# KiCad board plz actually have soldermask.kicad_pcb
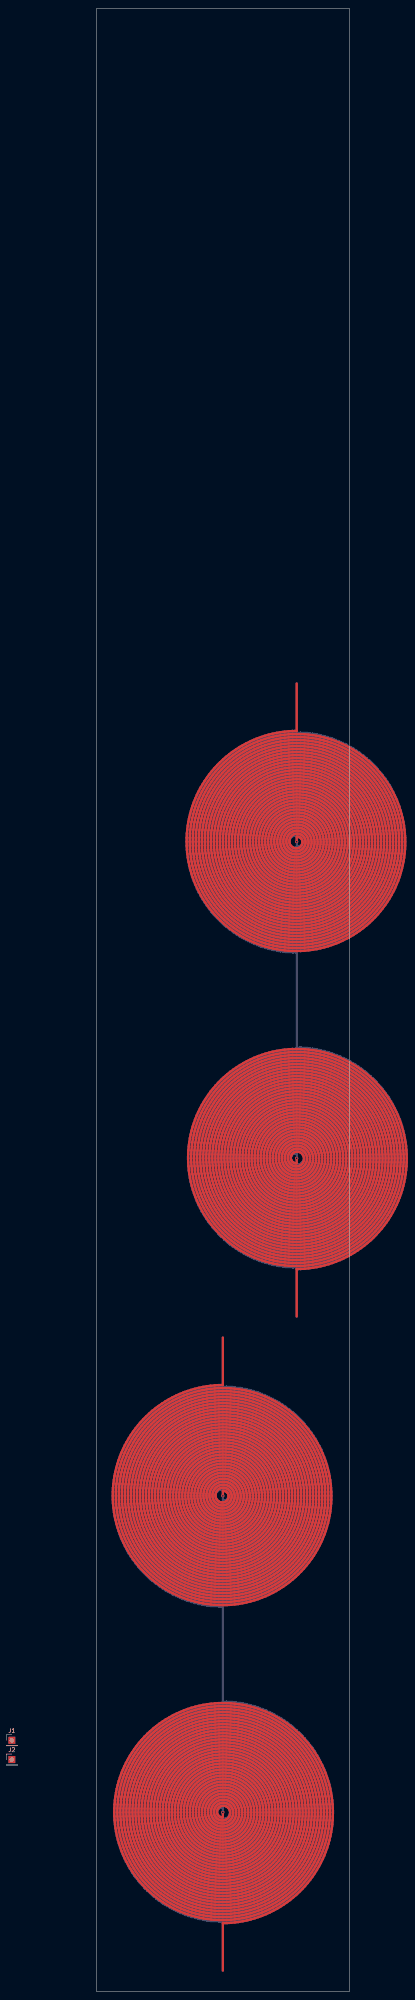
[diagram p0: board, top side]
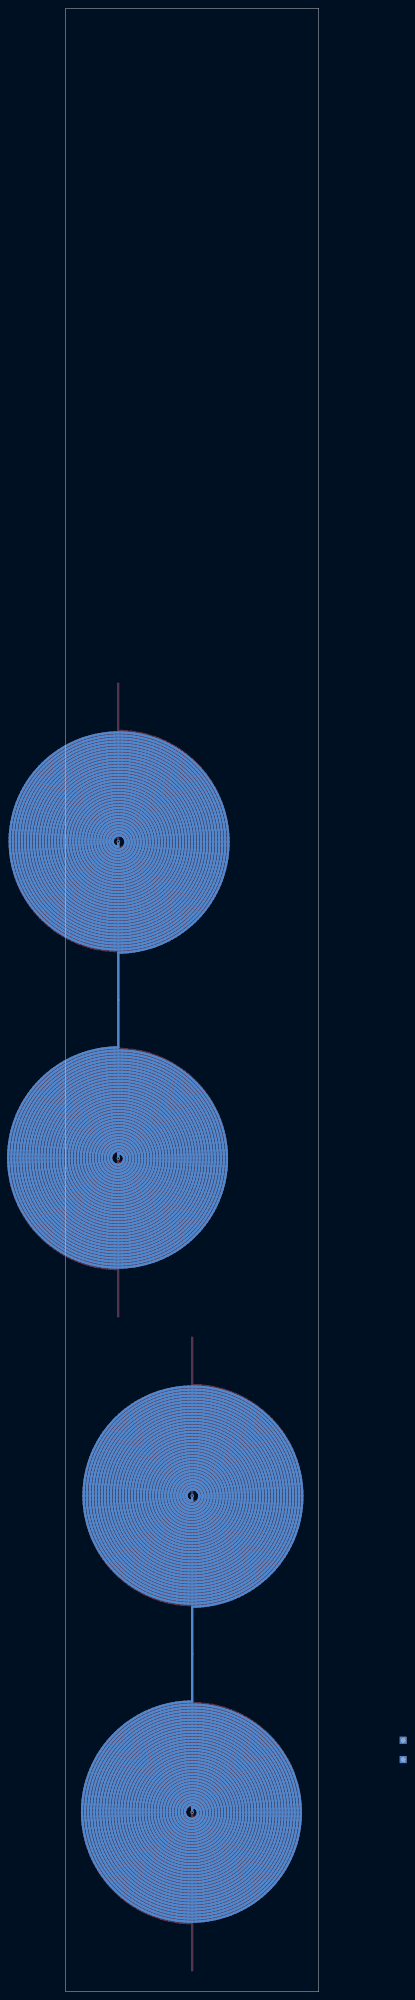
[diagram p1: board, bottom side, seen from below]

Outline 60.96 x 477.52 mm; copper layers: Top, Bottom. Coordinates in mm from the lower left corner of the outline.
Outline path: rectangle 0,477.52 60.96,0

## Placement (name value [footprint] x y rotation side)
J1  Conn_01x01_Pin  [PinHeader_1x01_P2.54mm_Vertical]  -20.32 60.53 0 top
J2  Conn_01x01_Pin  [PinHeader_1x01_P2.54mm_Vertical]  -20.32 55.88 0 top

## Library data of the parts
J1 J2 = -: Description: Generic connector, single row, 01x01, script generated

## Footprints (pads in the part's own frame, mm; a bottom-side part is the same pattern mirrored in y, then rotated)
PinHeader_1x01_P2.54mm_Vertical
  rect 1.7x1.7 hole 1: 1(0,0)

## Nets
Net-(J1-Pin_1): J1.1 J2.1

## Via types
v1: diameter 0.8, hole 0.4, Top to Bottom, 4 vias

## Routing (per net, layer and track width the routed paths; a pad name or vN(x,y) marks a point on that pad's centre or on a via; arc(x,y) is an arc through that point)
Net-(J1-Pin_1): length 24640.2
  Top w0.6: v1(30.48,43.18) 30.48,41.95 30.26,41.95 30.05,41.99 29.84,42.06 29.64,42.18 29.46,42.33 29.31,42.51 29.19,42.71 29.11,42.94 29.07,43.18 29.07,43.43 29.12,43.68 29.21,43.91 29.34,44.14 29.51,44.34 29.72,44.5 29.95,44.64 30.21,44.73 30.48,44.77 30.76,44.77 31.04,44.71 31.31,44.61 31.55,44.46 31.78,44.27 31.96,44.04 32.11,43.77 32.21,43.48 32.25,43.18 32.25,42.87 32.18,42.56 32.07,42.26 31.9,41.99 31.68,41.75 31.43,41.54 31.13,41.38 30.82,41.28 30.48,41.23 30.17,41.23 29.86,41.29 29.57,41.39 29.29,41.54 29.03,41.73 28.81,41.97 28.63,42.24 28.48,42.53 28.39,42.85 28.34,43.18 28.35,43.52 28.41,43.85 28.53,44.17 28.69,44.48 28.91,44.75 29.16,45 29.45,45.2 29.78,45.35 30.12,45.45 30.48,45.5 30.85,45.49 31.21,45.42 31.56,45.29 31.88,45.11 32.18,44.88 32.44,44.61 32.66,44.29 32.82,43.94 32.93,43.57 32.98,43.18 32.97,42.79 32.89,42.4 32.76,42.02 32.56,41.67 32.31,41.35 32.01,41.07 31.67,40.84 31.3,40.66 30.9,40.55 30.48,40.5 30.1,40.51 29.72,40.58 29.35,40.7 28.99,40.87 28.67,41.09 28.38,41.36 28.13,41.67 27.92,42.01 27.76,42.38 27.66,42.77 27.62,43.18 27.63,43.59 27.7,44 27.83,44.39 28.02,44.76 28.25,45.11 28.54,45.42 28.87,45.69 29.24,45.9 29.63,46.07 30.05,46.18 30.48,46.22 30.92,46.21 31.35,46.13 31.77,45.99 32.16,45.8 32.53,45.54 32.86,45.24 33.14,44.89 33.37,44.5 33.54,44.08 33.66,43.64 33.71,43.18 33.69,42.72 33.61,42.26 33.46,41.82 33.25,41.4 32.98,41.01 32.66,40.67 32.29,40.37 31.88,40.13 31.43,39.94 30.96,39.82 30.48,39.77 30.03,39.79 29.59,39.86 29.16,39.99 28.75,40.18 28.36,40.42 28.01,40.71 27.69,41.04 27.42,41.42 27.21,41.82 27.04,42.26 26.94,42.71 26.89,43.18 26.91,43.65 26.98,44.12 27.12,44.57 27.32,45.01 27.57,45.41 27.88,45.78 28.23,46.11 28.62,46.39 29.05,46.62 29.51,46.79 29.99,46.9 30.48,46.95 30.97,46.93 31.46,46.85 31.94,46.71 32.4,46.5 32.82,46.23 33.21,45.91 33.56,45.54 33.85,45.13 34.09,44.68 34.27,44.2 34.38,43.69 34.43,43.18 34.41,42.66 34.33,42.15 34.17,41.65 33.96,41.17 33.68,40.73 33.34,40.32 32.95,39.96 32.52,39.65 32.05,39.4 31.54,39.22 31.02,39.1 30.48,39.05 29.98,39.06 29.48,39.14 29,39.27 28.53,39.47 28.09,39.72 27.68,40.02 27.31,40.37 26.98,40.77 26.71,41.2 26.48,41.66 26.32,42.15 26.21,42.66 26.16,43.18 26.18,43.7 26.26,44.22 26.4,44.73 26.61,45.21 26.87,45.67 27.19,46.1 27.55,46.48 27.96,46.82 28.42,47.11 28.9,47.35 29.41,47.52 29.94,47.63 30.48,47.68 31.02,47.66 31.56,47.57 32.09,47.43 32.6,47.21 33.08,46.94 33.52,46.61 33.92,46.23 34.27,45.8 34.57,45.33 34.82,44.82 35,44.29 35.11,43.74 35.16,43.18 35.14,42.61 35.05,42.05 34.9,41.51 34.67,40.98 34.39,40.48 34.05,40.02 33.65,39.6 33.2,39.24 32.71,38.92 32.19,38.67 31.64,38.49 31.06,38.37 30.48,38.32 29.93,38.34 29.39,38.41 28.86,38.55 28.35,38.75 27.86,39.01 27.4,39.32 26.98,39.68 26.6,40.08 26.26,40.53 25.98,41.01 25.76,41.53 25.59,42.06 25.48,42.62 25.44,43.18 25.46,43.75 25.54,44.31 25.68,44.86 25.89,45.39 26.15,45.9 26.48,46.37 26.85,46.81 27.27,47.2 27.73,47.55 28.24,47.84 28.77,48.08 29.32,48.25 29.9,48.36 30.48,48.41 31.07,48.39 31.65,48.3 32.22,48.15 32.77,47.93 33.29,47.66 33.79,47.33 34.24,46.94 34.65,46.5 35,46.02 35.3,45.5 35.55,44.95 35.73,44.38 35.84,43.78 35.89,43.18 35.87,42.57 35.78,41.97 35.62,41.38 35.4,40.81 35.11,40.27 34.77,39.76 34.37,39.29 33.92,38.87 33.42,38.5 32.88,38.19 32.31,37.94 31.72,37.76 31.1,37.64 30.48,37.59 29.89,37.61 29.31,37.69 28.74,37.83 28.19,38.03 27.66,38.29 27.15,38.6 26.68,38.96 26.25,39.38 25.87,39.83 25.53,40.32 25.25,40.85 25.03,41.41 24.86,41.99 24.75,42.58 24.71,43.18 24.73,43.78 24.81,44.38 24.96,44.97 25.16,45.55 25.43,46.1 25.75,46.61 26.13,47.1 26.55,47.54 27.02,47.94 27.53,48.28 28.08,48.57 28.65,48.81 29.25,48.98 29.86,49.09 30.48,49.13 31.1,49.11 31.72,49.03 32.33,48.88 32.92,48.66 33.49,48.39 34.02,48.05 34.52,47.67 34.98,47.23 35.38,46.74 35.74,46.22 36.04,45.66 36.28,45.06 36.46,44.45 36.57,43.82 36.61,43.18 36.59,42.54 36.5,41.9 36.35,41.27 36.13,40.67 35.84,40.08 35.5,39.53 35.1,39.02 34.65,38.55 34.15,38.13 33.61,37.76 33.03,37.45 32.42,37.21 31.79,37.03 31.14,36.91 30.48,36.86 29.86,36.88 29.24,36.96 28.64,37.1 28.05,37.3 27.48,37.56 26.93,37.87 26.42,38.24 25.95,38.65 25.52,39.11 25.13,39.61 24.8,40.14 24.52,40.71 24.29,41.3 24.13,41.92 24.02,42.54 23.98,43.18 24,43.82 24.08,44.45 24.23,45.08 24.43,45.68 24.7,46.27 25.02,46.83 25.4,47.35 25.82,47.84 26.29,48.28 26.81,48.68 27.36,49.02 27.94,49.31 28.55,49.54 29.18,49.71 29.83,49.82 30.48,49.86 31.14,49.84 31.79,49.75 32.43,49.6 33.05,49.39 33.66,49.12 34.23,48.79 34.77,48.4 35.27,47.97 35.72,47.48 36.13,46.95 36.48,46.39 36.78,45.79 37.01,45.16 37.19,44.51 37.3,43.85 37.34,43.18 37.32,42.51 37.23,41.84 37.08,41.18 36.86,40.54 36.58,39.92 36.24,39.33 35.85,38.78 35.4,38.26 34.9,37.8 34.36,37.38 33.77,37.02 33.16,36.72 32.51,36.47 31.85,36.29 31.17,36.18 30.48,36.14 29.83,36.16 29.18,36.24 28.54,36.38 27.92,36.57 27.32,36.83 26.74,37.14 26.19,37.5 25.68,37.91 25.2,38.37 24.77,38.87 24.39,39.41 24.06,39.98 23.78,40.59 23.56,41.21 23.4,41.86 23.3,42.51 23.26,43.18 23.28,43.85 23.36,44.51 23.5,45.17 23.7,45.81 23.96,46.42 24.28,47.02 24.65,47.58 25.08,48.1 25.55,48.59 26.06,49.03 26.61,49.42 27.2,49.76 27.82,50.05 28.46,50.27 29.12,50.44 29.8,50.54 30.48,50.59 31.16,50.57 31.84,50.48 32.52,50.33 33.17,50.13 33.81,49.86 34.41,49.53 34.99,49.15 35.53,48.72 36.02,48.23 36.48,47.71 36.88,47.14 37.22,46.54 37.52,45.91 37.75,45.25 37.92,44.57 38.03,43.88 38.07,43.18 38.05,42.48 37.96,41.78 37.81,41.09 37.6,40.42 37.32,39.77 36.99,39.15 36.6,38.56 36.15,38.01 35.66,37.5 35.12,37.04 34.54,36.63 33.92,36.27 33.27,35.97 32.6,35.74 31.9,35.56 31.2,35.45 30.48,35.41 29.8,35.43 29.13,35.51 28.46,35.65 27.81,35.84 27.17,36.09 26.56,36.4 25.98,36.76 25.43,37.17 24.92,37.62 24.45,38.12 24.02,38.66 23.65,39.23 23.32,39.84 23.05,40.47 22.83,41.13 22.67,41.8 22.57,42.49 22.53,43.18 22.55,43.87 22.63,44.56 22.77,45.25 22.97,45.91 23.23,46.56 23.54,47.19 23.91,47.78 24.33,48.34 24.79,48.87 25.3,49.35 25.86,49.78 26.44,50.17 27.06,50.51 27.71,50.79 28.38,51.01 29.07,51.17 29.77,51.27 30.48,51.31 31.19,51.29 31.9,51.21 32.59,51.07 33.28,50.86 33.94,50.6 34.58,50.28 35.19,49.9 35.76,49.47 36.3,49 36.79,48.47 37.23,47.91 37.63,47.31 37.97,46.67 38.26,46.01 38.48,45.32 38.65,44.62 38.75,43.9 38.8,43.18 38.77,42.45 38.69,41.73 38.54,41.02 38.33,40.32 38.06,39.64 37.73,38.99 37.35,38.37 36.91,37.78 36.42,37.24 35.89,36.73 35.31,36.28 34.7,35.87 34.05,35.52 33.37,35.23 32.67,35 31.95,34.83 31.22,34.73 30.48,34.68 29.78,34.7 29.08,34.78 28.39,34.92 27.71,35.11 27.05,35.35 26.41,35.66 25.8,36.01 25.21,36.41 24.67,36.87 24.16,37.36 23.69,37.9 23.27,38.47 22.9,39.08 22.58,39.71 22.31,40.37 22.09,41.06 21.94,41.75 21.84,42.46 21.8,43.18 21.82,43.9 21.9,44.61 22.04,45.32 22.24,46.01 22.49,46.69 22.8,47.34 23.16,47.96 23.57,48.56 24.03,49.12 24.54,49.64 25.08,50.11 25.67,50.54 26.29,50.92 26.94,51.25 27.62,51.52 28.31,51.74 29.02,51.9 29.75,52 30.48,52.04 31.21,52.02 31.94,51.94 32.66,51.8 33.37,51.6 34.06,51.34 34.72,51.02 35.36,50.65 35.97,50.23 36.54,49.76 37.07,49.25 37.56,48.69 37.99,48.09 38.38,47.46 38.72,46.79 39,46.1 39.22,45.39 39.38,44.67 39.48,43.93 39.52,43.18 39.5,42.43 39.42,41.69 39.27,40.95 39.07,40.23 38.8,39.53 38.48,38.85 38.11,38.2 37.68,37.58 37.2,37 36.67,36.46 36.1,35.96 35.49,35.51 34.84,35.12 34.17,34.78 33.46,34.49 32.74,34.27 32,34.1 31.24,34 30.48,33.96 29.76,33.98 29.03,34.05 28.32,34.18 27.62,34.37 26.93,34.62 26.27,34.91 25.63,35.26 25.02,35.66 24.44,36.1 23.89,36.59 23.39,37.12 22.93,37.69 22.51,38.3 22.15,38.93 21.83,39.6 21.57,40.28 21.36,40.99 21.21,41.71 21.11,42.44 21.07,43.18 21.09,43.92 21.17,44.65 21.31,45.38 21.5,46.1 21.75,46.8 22.05,47.47 22.41,48.13 22.81,48.75 23.27,49.34 23.76,49.9 24.31,50.41 24.89,50.88 25.5,51.3 26.15,51.67 26.83,52 27.53,52.26 28.25,52.48 28.98,52.63 29.73,52.73 30.48,52.77 31.23,52.75 31.98,52.67 32.72,52.53 33.45,52.33 34.17,52.08 34.86,51.77 35.52,51.41 36.16,51 36.76,50.53 37.32,50.02 37.85,49.47 38.32,48.88 38.76,48.25 39.14,47.59 39.46,46.9 39.74,46.19 39.95,45.45 40.11,44.71 40.21,43.95 40.25,43.18 40.23,42.41 40.15,41.65 40.01,40.89 39.81,40.15 39.55,39.42 39.23,38.72 38.86,38.04 38.44,37.4 37.97,36.78 37.45,36.21 36.89,35.68 36.29,35.19 35.65,34.75 34.97,34.36 34.27,34.03 33.54,33.75 32.8,33.53 32.03,33.37 31.26,33.27 30.48,33.23 29.74,33.25 28.99,33.32 28.26,33.45 27.54,33.64 26.83,33.88 26.14,34.17 25.47,34.51 24.84,34.9 24.23,35.34 23.65,35.82 23.12,36.35 22.62,36.91 22.17,37.51 21.76,38.14 21.4,38.81 21.09,39.49 20.83,40.2 20.63,40.93 20.48,41.67 20.38,42.42 20.35,43.18 20.37,43.94 20.44,44.69 20.58,45.44 20.76,46.18 21.01,46.9 21.3,47.6 21.65,48.28 22.05,48.93 22.5,49.55 22.99,50.13 23.52,50.68 24.1,51.18 24.71,51.65 25.35,52.06 26.03,52.43 26.73,52.74 27.45,53 28.19,53.21 28.95,53.36 29.71,53.46 30.48,53.49 31.25,53.47 32.02,53.4 32.78,53.26 33.53,53.07 34.26,52.82 34.98,52.52 35.67,52.17 36.33,51.76 36.96,51.31 37.55,50.8 38.11,50.26 38.63,49.68 39.1,49.05 39.52,48.4 39.89,47.71 40.21,47 40.48,46.26 40.69,45.51 40.84,44.74 40.94,43.96 40.98,43.18 40.96,42.39 40.88,41.61 40.74,40.84 40.54,40.08 40.29,39.33 39.98,38.6 39.62,37.9 39.21,37.23 38.75,36.59 38.24,35.98 37.68,35.42 37.09,34.89 36.46,34.41 35.79,33.99 35.09,33.61 34.37,33.28 33.62,33.01 32.85,32.8 32.07,32.64 31.28,32.54 30.48,32.5 29.72,32.52 28.96,32.59 28.2,32.72 27.46,32.9 26.73,33.14 26.02,33.42 25.33,33.76 24.67,34.14 24.04,34.57 23.43,35.05 22.87,35.57 22.34,36.12 21.85,36.72 21.4,37.34 21,38 20.65,38.69 20.34,39.4 20.09,40.13 19.89,40.88 19.75,41.64 19.66,42.41 19.62,43.18 19.64,43.96 19.71,44.73 19.84,45.49 20.03,46.25 20.27,46.99 20.56,47.71 20.9,48.41 21.29,49.09 21.73,49.73 22.21,50.35 22.74,50.92 23.3,51.46 23.91,51.96 24.55,52.41 25.22,52.82 25.91,53.18 26.64,53.49 27.38,53.74 28.14,53.94 28.91,54.09 29.69,54.19 30.48,54.22 31.27,54.2 32.05,54.13 32.83,53.99 33.6,53.81 34.35,53.56 35.09,53.27 35.8,52.92 36.49,52.52 37.14,52.08 37.76,51.59 38.35,51.05 38.9,50.48 39.41,49.86 39.87,49.21 40.28,48.53 40.64,47.82 40.96,47.09 41.22,46.33 41.42,45.56 41.57,44.77 41.67,43.98 41.7,43.18 41.68,42.38 41.61,41.58 41.47,40.79 41.28,40.01 41.03,39.24 40.73,38.5 40.38,37.77 39.98,37.08 39.52,36.41 39.02,35.78 38.48,35.18 37.89,34.62 37.27,34.11 36.61,33.64 35.92,33.22 35.2,32.85 34.45,32.53 33.68,32.27 32.9,32.06 32.1,31.91 31.29,31.81 30.48,31.78 29.7,31.79 28.92,31.87 28.15,31.99 27.39,32.17 26.65,32.4 25.92,32.68 25.21,33 24.52,33.38 23.86,33.8 23.23,34.27 22.64,34.78 22.08,35.33 21.55,35.92 21.07,36.54 20.63,37.19 20.24,37.87 19.9,38.58 19.6,39.31 19.35,40.06 19.16,40.83 19.02,41.6 18.93,42.39 18.89,43.18 18.91,43.97 18.99,44.76 19.11,45.54 19.29,46.31 19.53,47.07 19.81,47.82 20.14,48.54 20.53,49.23 20.96,49.9 21.43,50.54 21.95,51.15 22.51,51.72 23.1,52.25 23.73,52.74 24.4,53.18 25.09,53.58 25.81,53.93 26.55,54.23 27.31,54.48 28.09,54.68 28.88,54.82 29.68,54.91 30.48,54.95 31.28,54.93 32.08,54.85 32.88,54.73 33.66,54.54 34.43,54.31 35.19,54.02 35.92,53.68 36.63,53.29 37.31,52.85 37.96,52.37 38.57,51.84 39.15,51.28 39.69,50.67 40.18,50.03 40.64,49.36 41.04,48.65 41.4,47.92 41.7,47.17 41.96,46.4 42.16,45.61 42.3,44.81 42.39,43.99 42.43,43.18 42.41,42.36 42.33,41.55 42.2,40.74 42.02,39.95 41.78,39.16 41.48,38.4 41.14,37.66 40.74,36.94 40.3,36.25 39.81,35.59 39.28,34.96 38.7,34.38 38.09,33.83 37.44,33.33 36.75,32.87 36.04,32.46 35.29,32.1 34.53,31.79 33.74,31.53 32.94,31.32 32.13,31.18 31.31,31.08 30.48,31.05 29.69,31.07 28.89,31.14 28.11,31.26 27.33,31.43 26.57,31.66 25.82,31.93 25.09,32.25 24.38,32.62 23.7,33.04 23.05,33.49 22.43,34 21.84,34.54 21.28,35.12 20.77,35.73 20.3,36.38 19.87,37.05 19.48,37.76 19.15,38.49 18.86,39.23 18.62,40 18.43,40.78 18.29,41.57 18.2,42.38 18.17,43.18 18.19,43.99 18.26,44.79 18.38,45.59 18.56,46.37 18.78,47.15 19.06,47.91 19.39,48.65 19.76,49.37 20.18,50.06 20.65,50.72 21.16,51.35 21.71,51.95 22.3,52.51 22.92,53.03 23.58,53.51 24.26,53.95 24.98,54.34 25.72,54.68 26.48,54.98 27.25,55.22 28.05,55.41 28.85,55.55 29.66,55.64 30.48,55.68 31.3,55.66 32.11,55.58 32.92,55.46 33.72,55.28 34.51,55.05 35.28,54.77 36.03,54.43 36.76,54.05 37.46,53.63 38.13,53.15 38.77,52.64 39.38,52.08 39.95,51.48 40.48,50.85 40.96,50.19 41.41,49.49 41.8,48.76 42.15,48.01 42.45,47.24 42.7,46.45 42.89,45.65 43.03,44.83 43.12,44.01 43.16,43.18 43.14,42.35 43.06,41.52 42.94,40.7 42.75,39.89 42.52,39.09 42.23,38.31 41.9,37.55 41.51,36.81 41.08,36.1 40.6,35.42 40.07,34.77 39.51,34.15 38.9,33.57 38.26,33.04 37.59,32.54 36.88,32.1 36.14,31.69 35.38,31.34 34.6,31.04 33.8,30.79 32.98,30.59 32.16,30.45 31.32,30.36 30.48,30.32 29.67,30.34 28.87,30.41 28.07,30.53 27.27,30.7 26.5,30.92 25.73,31.18 24.98,31.5 24.26,31.86 23.55,32.27 22.88,32.72 22.23,33.21 21.62,33.74 21.04,34.31 20.49,34.92 19.99,35.56 19.52,36.23 19.1,36.93 18.73,37.65 18.4,38.4 18.11,39.16 17.88,39.94 17.69,40.74 17.56,41.55 17.47,42.36 17.44,43.18 17.46,44 17.53,44.82 17.65,45.63 17.82,46.43 18.04,47.22 18.31,48 18.63,48.75 19,49.49 19.41,50.2 19.87,50.89 20.37,51.54 20.91,52.17 21.49,52.76 22.1,53.31 22.75,53.82 23.43,54.29 24.14,54.72 24.87,55.1 25.63,55.43 26.41,55.72 27.2,55.96 28.01,56.15 28.82,56.28 29.65,56.37 30.48,56.4 31.31,56.38 32.14,56.31 32.96,56.19 33.78,56.02 34.58,55.79 35.36,55.51 36.13,55.19 36.88,54.82 37.6,54.4 38.29,53.94 38.96,53.43 39.59,52.88 40.19,52.3 40.75,51.67 41.27,51.02 41.74,50.33 42.18,49.61 42.56,48.87 42.9,48.1 43.19,47.31 43.43,46.51 43.63,45.69 43.76,44.86 43.85,44.02 43.88,43.18 43.87,42.34 43.79,41.5 43.67,40.66 43.49,39.84 43.26,39.03 42.98,38.23 42.65,37.45 42.28,36.69 41.85,35.96 41.38,35.26 40.87,34.58 40.31,33.94 39.72,33.34 39.09,32.77 38.42,32.25 37.72,31.76 37,31.33 36.24,30.93 35.47,30.59 34.67,30.29 33.85,30.05 33.02,29.86 32.18,29.72 31.33,29.63 30.48,29.59 29.66,29.61 28.84,29.68 28.03,29.8 27.22,29.96 26.43,30.18 25.65,30.44 24.88,30.75 24.14,31.1 23.42,31.5 22.72,31.94 22.05,32.42 21.42,32.95 20.81,33.51 20.24,34.11 19.7,34.74 19.21,35.4 18.75,36.09 18.34,36.81 17.97,37.55 17.65,38.31 17.37,39.09 17.14,39.89 16.96,40.7 16.83,41.52 16.74,42.35 16.71,43.18 16.73,44.01 16.8,44.84 16.92,45.67 17.09,46.48 17.3,47.29 17.57,48.08 17.88,48.85 18.24,49.6 18.64,50.34 19.09,51.04 19.58,51.72 20.11,52.37 20.68,52.98 21.29,53.56 21.92,54.1 22.6,54.6 23.3,55.06 24.02,55.48 24.78,55.86 25.55,56.18 26.34,56.46 27.15,56.7 27.97,56.88 28.8,57.01 29.64,57.1 30.48,57.13 31.32,57.11 32.16,57.04 33,56.92 33.83,56.75 34.64,56.53 35.44,56.26 36.23,55.95 36.99,55.58 37.73,55.17 38.44,54.72 39.13,54.22 39.79,53.68 40.41,53.11 40.99,52.5 41.54,51.85 42.05,51.17 42.52,50.46 42.94,49.72 43.32,48.96 43.65,48.18 43.94,47.37 44.17,46.56 44.36,45.72 44.49,44.88 44.58,44.03 44.61,43.18 44.59,42.33 44.52,41.47 44.4,40.63 44.23,39.79 44,38.97 43.73,38.15 43.41,37.36 43.04,36.59 42.63,35.84 42.17,35.11 41.66,34.42 41.12,33.75 40.54,33.12 39.92,32.53 39.26,31.97 38.57,31.46 37.85,30.99 37.11,30.56 36.33,30.17 35.54,29.84 34.73,29.55 33.9,29.31 33.06,29.12 32.2,28.99 31.34,28.9 30.48,28.87 29.65,28.88 28.82,28.95 27.99,29.06 27.17,29.23 26.37,29.44 25.57,29.69 24.79,29.99 24.03,30.34 23.29,30.73 22.58,31.17 21.89,31.64 21.23,32.15 20.6,32.71 20,33.29 19.44,33.91 18.91,34.57 18.43,35.25 17.98,35.96 17.58,36.7 17.21,37.46 16.9,38.24 16.63,39.03 16.4,39.84 16.23,40.67 16.1,41.5 16.02,42.34 15.99,43.18 16,44.02 16.07,44.86 16.19,45.7 16.35,46.53 16.56,47.35 16.82,48.15 17.13,48.94 17.48,49.71 17.87,50.46 18.31,51.18 18.79,51.88 19.31,52.55 19.87,53.19 20.47,53.79 21.1,54.36 21.76,54.89 22.45,55.39 23.17,55.84 23.92,56.25 24.69,56.61 25.47,56.93 26.28,57.21 27.1,57.43 27.93,57.61 28.78,57.74 29.63,57.82 30.48,57.86 31.33,57.84 32.19,57.77 33.03,57.65 33.87,57.49 34.7,57.27 35.51,57.01 36.31,56.7 37.09,56.34 37.85,55.94 38.58,55.5 39.29,55.01 39.97,54.48 40.61,53.92 41.22,53.32 41.8,52.68 42.34,52.01 42.84,51.31 43.3,50.58 43.71,49.82 44.08,49.05 44.4,48.25 44.68,47.43 44.91,46.6 45.09,45.76 45.22,44.9 45.31,44.04 45.34,43.18 45.32,42.32 45.25,41.45 45.13,40.6 44.96,39.75 44.75,38.91 44.48,38.08 44.17,37.28 43.81,36.49 43.4,35.72 42.95,34.98 42.46,34.26 41.92,33.58 41.35,32.92 40.74,32.3 40.1,31.72 39.42,31.18 38.71,30.67 37.97,30.21 37.21,29.79 36.42,29.41 35.61,29.08 34.78,28.8 33.94,28.57 33.09,28.39 32.22,28.26 31.35,28.17 30.48,28.14 29.64,28.16 28.79,28.22 27.96,28.33 27.13,28.49 26.31,28.7 25.5,28.95 24.71,29.24 23.93,29.58 23.18,29.97 22.44,30.39 21.74,30.86 21.05,31.36 20.4,31.9 19.78,32.48 19.19,33.09 18.64,33.74 18.12,34.41 17.65,35.12 17.21,35.85 16.81,36.6 16.46,37.37 16.15,38.17 15.88,38.98 15.67,39.8 15.49,40.63 15.37,41.48 15.29,42.33 15.26,43.18 15.28,44.03 15.34,44.89 15.45,45.73 15.61,46.57 15.82,47.4 16.08,48.22 16.37,49.02 16.72,49.81 17.11,50.57 17.54,51.31 18.01,52.03 18.52,52.72 19.07,53.38 19.65,54.01 20.27,54.6 20.92,55.16 21.61,55.68 22.32,56.17 23.06,56.61 23.82,57.01 24.6,57.37 25.41,57.68 26.22,57.95 27.06,58.17 27.9,58.35 28.76,58.47 29.62,58.55 30.48,58.58 31.34,58.57 32.21,58.5 33.06,58.39 33.91,58.22 34.75,58.01 35.58,57.76 36.39,57.45 37.19,57.1 37.96,56.71 38.71,56.28 39.43,55.8 40.13,55.28 40.8,54.73 41.44,54.14 42.04,53.51 42.6,52.85 43.13,52.16 43.62,51.44 44.07,50.69 44.48,49.92 44.84,49.13 45.15,48.31 45.42,47.49 45.65,46.64 45.83,45.79 45.95,44.92 46.03,44.05 46.07,43.18 46.05,42.31 45.98,41.43 45.86,40.57 45.7,39.71 45.49,38.86 45.23,38.02 44.92,37.2 44.57,36.4 44.17,35.61 43.73,34.85 43.25,34.12 42.73,33.41 42.16,32.74 41.56,32.1 40.93,31.49 40.26,30.91 39.56,30.38 38.83,29.88 38.08,29.43 37.3,29.02 36.5,28.66 35.67,28.33 34.84,28.06 33.98,27.83 33.12,27.65 32.24,27.53 31.36,27.44 30.48,27.41 29.63,27.43 28.77,27.49 27.93,27.6 27.09,27.76 26.25,27.96 25.43,28.2 24.63,28.49 23.84,28.82 23.07,29.2 22.32,29.62 21.59,30.07 20.89,30.57 20.22,31.1 19.58,31.67 18.96,32.27 18.39,32.91 17.84,33.57 17.34,34.27 16.87,34.99 16.44,35.74 16.05,36.5 15.7,37.29 15.4,38.1 15.14,38.92 14.93,39.76 14.76,40.6 14.64,41.46 14.56,42.32 14.53,43.18 14.55,44.04 14.61,44.91 14.72,45.76 14.88,46.61 15.08,47.46 15.33,48.28 15.62,49.1 15.96,49.9 16.34,50.68 16.76,51.43 17.22,52.17 17.72,52.88 18.26,53.56 18.84,54.21 19.45,54.83 20.09,55.41 20.76,55.96 21.47,56.47 22.2,56.95 22.95,57.38 23.73,57.77 24.53,58.12 25.34,58.43 26.17,58.69 27.02,58.91 27.87,59.08 28.74,59.2 29.61,59.28 30.48,59.31 31.35,59.29 32.23,59.23 33.09,59.12 33.95,58.96 34.8,58.75 35.64,58.5 36.47,58.21 37.27,57.87 38.06,57.48 38.83,57.06 39.57,56.59 40.29,56.08 40.98,55.54 41.63,54.95 42.26,54.34 42.85,53.69 43.41,53.01 43.92,52.3 44.4,51.56 44.84,50.79 45.24,50.01 45.59,49.2 45.9,48.38 46.17,47.54 46.39,46.68 46.56,45.82 46.68,44.94 46.76,44.06 46.79,43.18 46.77,42.3 46.71,41.41 46.6,40.54 46.44,39.67 46.23,38.81 45.97,37.96 45.67,37.13 45.33,36.31 44.94,35.51 44.51,34.74 44.04,33.99 43.53,33.26 42.97,32.57 42.39,31.9 41.76,31.27 41.11,30.67 40.42,30.11 39.7,29.59 38.95,29.1 38.18,28.66 37.38,28.26 36.57,27.9 35.73,27.59 34.88,27.32 34.02,27.1 33.15,26.92 32.26,26.8 31.37,26.72 30.48,26.69 29.62,26.7 28.75,26.76 27.9,26.87 27.05,27.02 26.2,27.22 25.37,27.46 24.55,27.74 23.75,28.07 22.97,28.44 22.2,28.84 21.46,29.29 20.74,29.78 20.05,30.3 19.39,30.86 18.75,31.45 18.15,32.08 17.58,32.74 17.05,33.42 16.55,34.13 16.09,34.87 15.67,35.63 15.29,36.42 14.95,37.22 14.65,38.04 14.4,38.87 14.19,39.72 14.03,40.57 13.91,41.44 13.83,42.31 13.8,43.18 13.82,44.05 13.88,44.92 13.99,45.79 14.14,46.65 14.34,47.5 14.59,48.34 14.87,49.17 15.2,49.98 15.57,50.78 15.99,51.55 16.44,52.3 16.93,53.02 17.46,53.72 18.02,54.4 18.62,55.04 19.26,55.64 19.92,56.22 20.61,56.76 21.34,57.26 22.08,57.73 22.85,58.15 23.64,58.54 24.45,58.88 25.28,59.18 26.12,59.43 26.98,59.65 27.85,59.81 28.72,59.93 29.6,60.01 30.48,60.04 31.36,60.02 32.24,59.96 33.12,59.85 33.99,59.69 34.85,59.49 35.7,59.25 36.54,58.96 37.36,58.62 38.16,58.25 38.94,57.83 39.7,57.37 40.43,56.88 41.14,56.34 41.82,55.77 42.46,55.16 43.08,54.52 43.66,53.85 44.21,53.15 44.71,52.42 45.18,51.67 45.61,50.89 46,50.09 46.35,49.27 46.65,48.43 46.91,47.58 47.12,46.72 47.29,45.84 47.41,44.96 47.49,44.07 47.52,43.18 47.5,42.29 47.44,41.4 47.33,40.51 47.17,39.63 46.97,38.76 46.72,37.9 46.43,37.06 46.09,36.23 45.71,35.42 45.29,34.63 44.83,33.86 